# Altium PCB PCB1.PcbDoc (part 1 of 2) (continued)
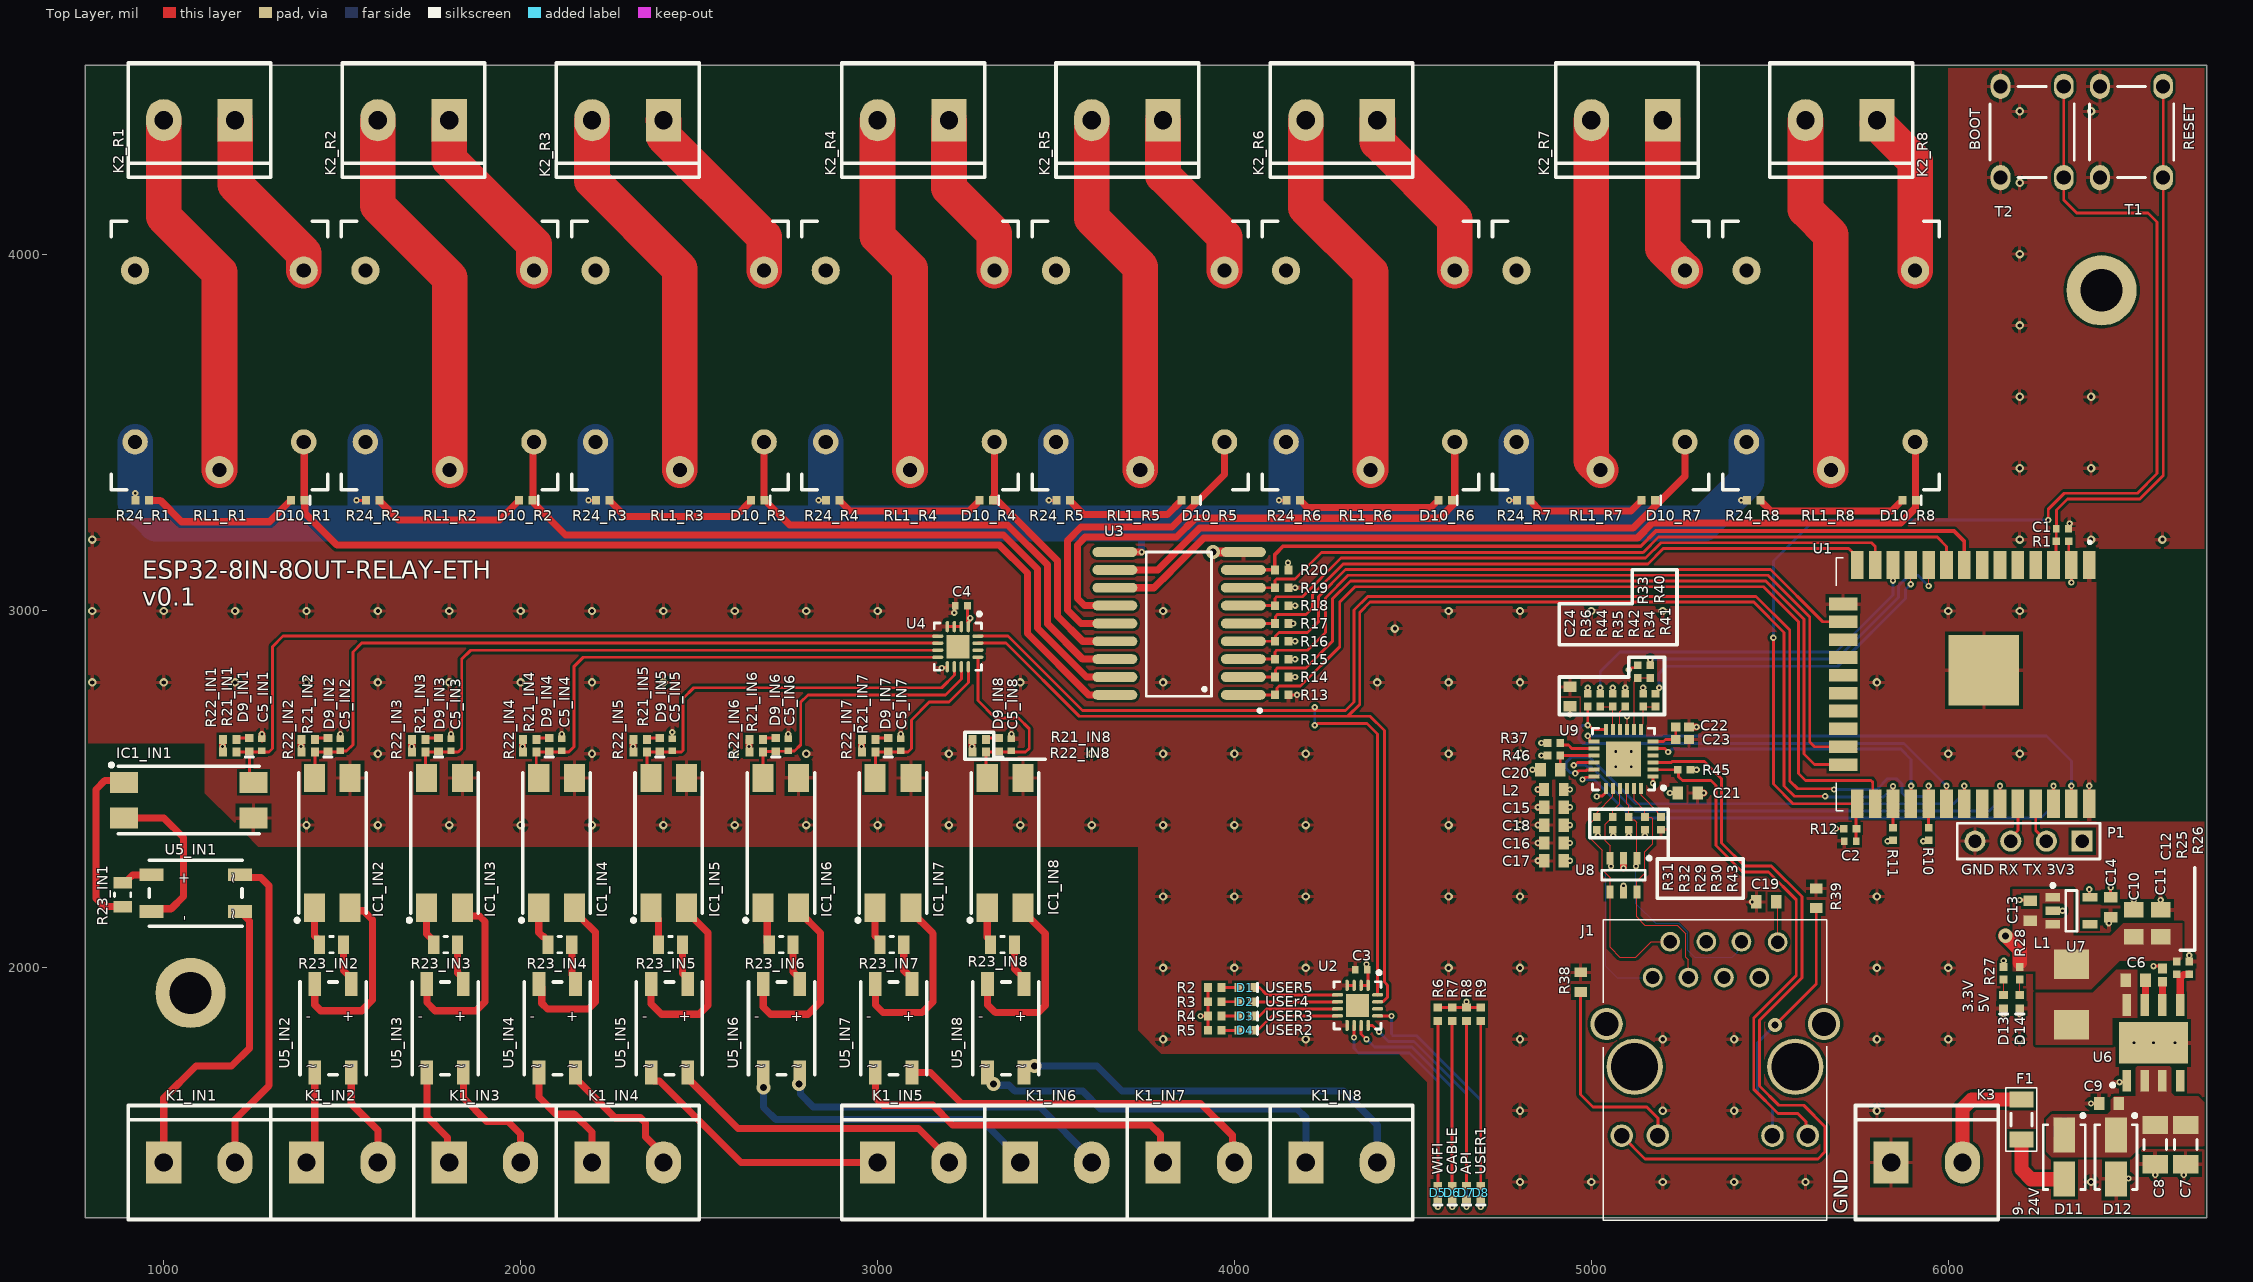
[diagram p0: Top Layer view]
## Classes and differential pairs
component class U_ethernet: C15 C16 C17 C18 C19 C20 C21 C22 C23 C24 J1 L2 R37 R39 R40 R41 R42 R43 R44 R45 R46 U8 U9
channel class input: IN1 IN2 IN3 IN4 IN5 IN6 IN7 IN8
net class INPUT[8..1]: INPUT1 INPUT2 INPUT3 INPUT4 INPUT5 INPUT6 INPUT7 INPUT8
component class U_power: C6 C7 C8 C9 C10 C11 C12 C13 C14 D11 D12 D13 D14 F1 K3 L1 R41 R42 R43 R44 U6 U7
component class IN8: C5_IN8 D9_IN8 IC1_IN8 K1_IN8 R21_IN8 R22_IN8 R23_IN8 U5_IN8
component class IN7: C5_IN7 D9_IN7 IC1_IN7 K1_IN7 R21_IN7 R22_IN7 R23_IN7 U5_IN7
component class IN6: C5_IN6 D9_IN6 IC1_IN6 K1_IN6 R21_IN6 R22_IN6 R23_IN6 U5_IN6
component class IN5: C5_IN5 D9_IN5 IC1_IN5 K1_IN5 R21_IN5 R22_IN5 R23_IN5 U5_IN5
component class IN4: C5_IN4 D9_IN4 IC1_IN4 K1_IN4 R21_IN4 R22_IN4 R23_IN4 U5_IN4
component class IN3: C5_IN3 D9_IN3 IC1_IN3 K1_IN3 R21_IN3 R22_IN3 R23_IN3 U5_IN3
component class IN2: C5_IN2 D9_IN2 IC1_IN2 K1_IN2 R21_IN2 R22_IN2 R23_IN2 U5_IN2
component class IN1: C5_IN1 D9_IN1 IC1_IN1 K1_IN1 R21_IN1 R22_IN1 R23_IN1 U5_IN1
channel class output: R1 R2 R3 R4 R5 R6 R7 R8
net class RELAY[8..1]: RELAY1 RELAY2 RELAY3 RELAY4 RELAY5 RELAY6 RELAY7 RELAY8
component class R8: D10_R8 K2_R8 R24_R8 RL1_R8
component class R7: D10_R7 K2_R7 R24_R7 RL1_R7
component class R6: D10_R6 K2_R6 R24_R6 RL1_R6
component class R5: D10_R5 K2_R5 R24_R5 RL1_R5
component class R4: D10_R4 K2_R4 R24_R4 RL1_R4
component class R3: D10_R3 K2_R3 R24_R3 RL1_R3
component class R2: D10_R2 K2_R2 R24_R2 RL1_R2
component class R1: D10_R1 K2_R1 R24_R1 RL1_R1
component class schematic: C1 C2 C3 C4 D1 D2 D3 D4 D5 D6 D7 D8 P1 R1 R2 R3 R4 R5 R6 R7 R8 R9 R10 R11 R12 R13 R14 R15 R16 R41 R42 R43 R44 T1 T2 U1 U2 U3 U4

## Components (designator, comment, footprint, x,y, rotation, side; value= is the part's Value field where it differs from the comment)
C1 "100n" CAP_0402_L_HD 6320,3230 r0 top
C2 "100n" CAP_0402_L_HD 5725,2355 r180 top
C3 "100n" CAP_0402_L_HD 4355,1995 r180 top
C4 "100n" CAP_0402_L_HD 3235,3015 r180 top
C5_IN1 "100n" CAP_0402_L_HD 1275,2625 r90 top (schematic designator C5)
C5_IN2 "100n" CAP_0402_L_HD 1495,2625 r90 top (schematic designator C5)
C5_IN3 "100n" CAP_0402_L_HD 1805,2625 r90 top (schematic designator C5)
C5_IN4 "100n" CAP_0402_L_HD 2115,2625 r90 top (schematic designator C5)
C5_IN5 "100n" CAP_0402_L_HD 2425,2625 r90 top (schematic designator C5)
C5_IN6 "100n" CAP_0402_L_HD 2750,2625 r90 top (schematic designator C5)
C5_IN7 "100n" CAP_0402_L_HD 3065,2625 r90 top (schematic designator C5)
C5_IN8 "100n" CAP_0402_L_HD 3375,2625 r90 top (schematic designator C5)
C6 "Capacitor IPC [0603]" "CAPC1608X06N - NO SILK" 6525,1965 r0 top value=100n
C7 "Capacitor IPC [0603]" "CAPC3216X09N - NO SILK" 6665,1505 r90 top value=4.7u
C8 "Capacitor IPC [0603]" "CAPC3216X09N - NO SILK" 6580,1505 r90 top value=4.7u
C9 "Capacitor IPC [0603]" "CAPC1608X06N - NO SILK" 6450,1620 r0 top value=220n
C10 "Capacitor IPC [0603]" "CAPC2012X14N - NO SILK" 6520,2125 r270 top value=22u
C11 "Capacitor IPC [0603]" "CAPC2012X14N - NO SILK" 6595,2125 r270 top value=22u
C12 "Capacitor IPC [0603]" "CAPC1005X06N - NO SILK" 6600,1980 r90 top value=1u
C13 "Capacitor IPC [0603]" "CAPC1608X06N - NO SILK" 6230,2160 r270 top value=2.2u
C14 "Capacitor IPC [0603]" "CAPC1608X06N - NO SILK" 6455,2170 r90 top value=2.2u
C15 "Capacitor IPC [0603]" "CAPC1608X06N - NO SILK" 4895,2450 r0 top value=100n
C16 "Capacitor IPC [0603]" "CAPC1608X06N - NO SILK" 4895,2350 r0 top value=100n
C17 "Capacitor IPC [0603]" "CAPC1608X06N - NO SILK" 4895,2300 r0 top value=100n
C18 "Capacitor IPC [0603]" "CAPC1608X06N - NO SILK" 4895,2400 r0 top value=10u
C19 "Capacitor IPC [0603]" "CAPC1608X06N - NO SILK" 5490,2185 r0 top value=100n
C20 "Capacitor IPC [0603]" "CAPC1608X06N - NO SILK" 4885,2555 r180 top value=100n
C21 "Capacitor IPC [0603]" "CAPC1608X06N - NO SILK" 5270,2490 r180 top value=100n
C22 "Capacitor IPC [0603]" "CAPC1005X06N - NO SILK" 5255,2675 r180 top value=470p
C23 "Capacitor IPC [0603]" "CAPC1005X06N - NO SILK" 5255,2640 r180 top value=1u
C24 "Capacitor IPC [0603]" "CAPC1608X06N - NO SILK" 4940,2760 r270 top value=100n
D1 "Red" LED_0402_N_MD 4030,1945 r180 top
D2 "Red" LED_0402_N_MD 4030,1905 r180 top
D3 "Red" LED_0402_N_MD 4030,1865 r180 top
D4 "Red" LED_0402_N_MD 4030,1825 r180 top
D5 "Red" LED_0402_N_MD 4570,1370 r90 top
D6 "Red" LED_0402_N_MD 4610,1370 r90 top
D7 "Red" LED_0402_N_MD 4650,1370 r90 top
D8 "Red" LED_0402_N_MD 4690,1370 r90 top
D9_IN1 "Red" LED_0402_N_MD 1240,2625 r90 top (schematic designator D9)
D9_IN2 "Red" LED_0402_N_MD 1460,2625 r90 top (schematic designator D9)
D9_IN3 "Red" LED_0402_N_MD 1770,2625 r90 top (schematic designator D9)
D9_IN4 "Red" LED_0402_N_MD 2080,2625 r90 top (schematic designator D9)
D9_IN5 "Red" LED_0402_N_MD 2390,2625 r90 top (schematic designator D9)
D9_IN6 "Red" LED_0402_N_MD 2715,2625 r90 top (schematic designator D9)
D9_IN7 "Red" LED_0402_N_MD 3030,2625 r90 top (schematic designator D9)
D9_IN8 "Red" LED_0402_N_MD 3340,2625 r90 top (schematic designator D9)
D10_R1 "Red" LED_0402_N_MD 1375,3310 r180 top (schematic designator D10)
D10_R2 "Red" LED_0402_N_MD 2015,3310 r180 top (schematic designator D10)
D10_R3 "Red" LED_0402_N_MD 2665,3310 r180 top (schematic designator D10)
D10_R4 "Red" LED_0402_N_MD 3305,3310 r180 top (schematic designator D10)
D10_R5 "Red" LED_0402_N_MD 3870,3310 r180 top (schematic designator D10)
D10_R6 "Red" LED_0402_N_MD 4590,3310 r180 top (schematic designator D10)
D10_R7 "Red" LED_0402_N_MD 5160,3310 r180 top (schematic designator D10)
D10_R8 "Red" LED_0402_N_MD 5890,3310 r180 top (schematic designator D10)
D11 "B360A-E3/61T" "DO-214AC SMA" 6325,1470 r270 top
D12 "SMAJ33A" "DO-214AC SMA" 6470,1470 r270 top
D13 "Red" LED_0402_N_MD 6155,1905 r90 top
D14 "Red" LED_0402_N_MD 6200,1905 r90 top
F1 "Fuse 1" RESC3216X08N 6205,1575 r270 top
IC1_IN1 "ACPL-217-500E" DIP4_SMD 1070,2470 r0 top (schematic designator IC1)
IC1_IN2 "ACPL-217-500E" DIP4_SMD 1472.36,2350 r90 top (schematic designator IC1)
IC1_IN3 "ACPL-217-500E" DIP4_SMD 1786.53,2350 r90 top (schematic designator IC1)
IC1_IN4 "ACPL-217-500E" DIP4_SMD 2100.7,2350 r90 top (schematic designator IC1)
IC1_IN5 "ACPL-217-500E" DIP4_SMD 2414.86,2350 r90 top (schematic designator IC1)
IC1_IN6 "ACPL-217-500E" DIP4_SMD 2729.03,2350 r90 top (schematic designator IC1)
IC1_IN7 "ACPL-217-500E" DIP4_SMD 3043.2,2350 r90 top (schematic designator IC1)
IC1_IN8 "ACPL-217-500E" DIP4_SMD 3357.36,2350 r90 top (schematic designator IC1)
J1 "HR911105A" HR911105A 5523.98,2081.18 r180 top
K1_IN1 "Terminal block 2W 200M" TERM_BLOCK_2W_200_WE_691213510002 1100,1455 r0 top value="Terminal block 2W" (schematic designator K1)
K1_IN2 "Terminal block 2W 200M" TERM_BLOCK_2W_200_WE_691213510002 1500,1455 r0 top value="Terminal block 2W" (schematic designator K1)
K1_IN3 "Terminal block 2W 200M" TERM_BLOCK_2W_200_WE_691213510002 1900,1455 r0 top value="Terminal block 2W" (schematic designator K1)
K1_IN4 "Terminal block 2W 200M" TERM_BLOCK_2W_200_WE_691213510002 2300,1455 r0 top value="Terminal block 2W" (schematic designator K1)
K1_IN5 "Terminal block 2W 200M" TERM_BLOCK_2W_200_WE_691213510002 3100,1455 r0 top value="Terminal block 2W" (schematic designator K1)
K1_IN6 "Terminal block 2W 200M" TERM_BLOCK_2W_200_WE_691213510002 3500,1455 r0 top value="Terminal block 2W" (schematic designator K1)
K1_IN7 "Terminal block 2W 200M" TERM_BLOCK_2W_200_WE_691213510002 3900,1455 r0 top value="Terminal block 2W" (schematic designator K1)
K1_IN8 "Terminal block 2W 200M" TERM_BLOCK_2W_200_WE_691213510002 4300,1455 r0 top value="Terminal block 2W" (schematic designator K1)
K2_R1 "Terminal block 2W 200M" TERM_BLOCK_2W_200_WE_691213510002 1100,4375 r180 top value="Terminal block 2W" (schematic designator K2)
K2_R2 "Terminal block 2W 200M" TERM_BLOCK_2W_200_WE_691213510002 1700,4375 r180 top value="Terminal block 2W" (schematic designator K2)
K2_R3 "Terminal block 2W 200M" TERM_BLOCK_2W_200_WE_691213510002 2300,4375 r180 top value="Terminal block 2W" (schematic designator K2)
K2_R4 "Terminal block 2W 200M" TERM_BLOCK_2W_200_WE_691213510002 3100,4375 r180 top value="Terminal block 2W" (schematic designator K2)
K2_R5 "Terminal block 2W 200M" TERM_BLOCK_2W_200_WE_691213510002 3700,4375 r180 top value="Terminal block 2W" (schematic designator K2)
K2_R6 "Terminal block 2W 200M" TERM_BLOCK_2W_200_WE_691213510002 4300,4375 r180 top value="Terminal block 2W" (schematic designator K2)
K2_R7 "Terminal block 2W 200M" TERM_BLOCK_2W_200_WE_691213510002 5100,4375 r180 top value="Terminal block 2W" (schematic designator K2)
K2_R8 "Terminal block 2W 200M" TERM_BLOCK_2W_200_WE_691213510002 5700,4375 r180 top value="Terminal block 2W" (schematic designator K2)
K3 "Terminal block 2W 200M" TERM_BLOCK_2W_200_WE_691213510002 5940,1455 r0 top value="Terminal block 2W"
L1 "MHCI05018-100M-R8A" MHCI05018-100M-R8A 6345,1845 r90 top value=10uH
L2 "Ferrite Bead" "RESC1608X06N - NO SILK" 4895,2500 r180 top value="50 Ohm"
P1 "Header 4" HDR1X4 6375,2355 r180 top
R1 "Resistor IPC" "RESC1005X04N - NO SILK" 6320,3195 r0 top value=10k
R2 "10K" RES_0402_N_MD 3945,1945 r180 top
R3 "10K" RES_0402_N_MD 3945,1905 r180 top
R4 "10K" RES_0402_N_MD 3945,1865 r180 top
R5 "10K" RES_0402_N_MD 3945,1825 r180 top
R6 "10K" RES_0402_N_MD 4570,1870 r90 top
R7 "10K" RES_0402_N_MD 4610,1870 r90 top
R8 "10K" RES_0402_N_MD 4650,1870 r90 top
R9 "10K" RES_0402_N_MD 4690,1870 r90 top
R10 "Resistor IPC" "RESC1005X04N - NO SILK" 5945,2375 r270 top value=4.7k
R11 "Resistor IPC" "RESC1005X04N - NO SILK" 5845,2375 r270 top value=4.7k
R12 "Resistor IPC" "RESC1005X04N - NO SILK" 5725,2390 r180 top value=10k
R13 "4K7" RES_0402_N_MD 4132.34,2765 r180 top
R14 "4K7" RES_0402_N_MD 4132.34,2815 r180 top
R15 "4K7" RES_0402_N_MD 4132.34,2865 r180 top
R16 "4K7" RES_0402_N_MD 4132.34,2915 r180 top
R17 "4K7" RES_0402_N_MD 4132.34,2965 r180 top
R18 "4K7" RES_0402_N_MD 4132.34,3015 r180 top
R19 "4K7" RES_0402_N_MD 4132.34,3065 r180 top
R20 "4K7" RES_0402_N_MD 4132.34,3115 r180 top
R21_IN1 "10K" RES_0402_N_MD 1185,2640 r180 top (schematic designator R21)
R21_IN2 "10K" RES_0402_N_MD 1405,2640 r180 top (schematic designator R21)
R21_IN3 "10K" RES_0402_N_MD 1715,2640 r180 top (schematic designator R21)
R21_IN4 "10K" RES_0402_N_MD 2025,2640 r180 top (schematic designator R21)
R21_IN5 "10K" RES_0402_N_MD 2335,2640 r180 top (schematic designator R21)
R21_IN6 "10K" RES_0402_N_MD 2660,2640 r180 top (schematic designator R21)
R21_IN7 "10K" RES_0402_N_MD 2975,2640 r180 top (schematic designator R21)
R21_IN8 "10K" RES_0402_N_MD 3285,2640 r180 top (schematic designator R21)
R22_IN1 "100K" RES_0402_N_MD 1185,2605 r180 top (schematic designator R22)
R22_IN2 "100K" RES_0402_N_MD 1405,2605 r180 top (schematic designator R22)
R22_IN3 "100K" RES_0402_N_MD 1715,2605 r180 top (schematic designator R22)
R22_IN4 "100K" RES_0402_N_MD 2025,2605 r180 top (schematic designator R22)
R22_IN5 "100K" RES_0402_N_MD 2335,2605 r180 top (schematic designator R22)
R22_IN6 "100K" RES_0402_N_MD 2660,2605 r180 top (schematic designator R22)
R22_IN7 "100K" RES_0402_N_MD 2975,2605 r180 top (schematic designator R22)
R22_IN8 "100K" RES_0402_N_MD 3285,2605 r180 top (schematic designator R22)
R23_IN1 "330K" RES_0805_L_HD 885,2205 r270 top (schematic designator R23)
R23_IN2 "330K" RES_0805_L_HD 1470,2065 r180 top (schematic designator R23)
R23_IN3 "330K" RES_0805_L_HD 1790,2065 r180 top (schematic designator R23)
R23_IN4 "330K" RES_0805_L_HD 2110,2065 r180 top (schematic designator R23)
R23_IN5 "330K" RES_0805_L_HD 2420,2065 r180 top (schematic designator R23)
R23_IN6 "330K" RES_0805_L_HD 2730,2065 r180 top (schematic designator R23)
R23_IN7 "330K" RES_0805_L_HD 3040,2065 r180 top (schematic designator R23)
R23_IN8 "330K" RES_0805_L_HD 3350,2065 r180 top (schematic designator R23)
R24_R1 "10K" RES_0402_N_MD 940,3310 r180 top (schematic designator R24)
R24_R2 "10K" RES_0402_N_MD 1585,3310 r180 top (schematic designator R24)
R24_R3 "10K" RES_0402_N_MD 2230,3310 r180 top (schematic designator R24)
R24_R4 "10K" RES_0402_N_MD 2875,3310 r180 top (schematic designator R24)
R24_R5 "10K" RES_0402_N_MD 3520,3310 r180 top (schematic designator R24)
R24_R6 "10K" RES_0402_N_MD 4165,3310 r180 top (schematic designator R24)
R24_R7 "10K" RES_0402_N_MD 4810,3310 r180 top (schematic designator R24)
R24_R8 "10K" RES_0402_N_MD 5455,3310 r180 top (schematic designator R24)
R25 "Resistor IPC" "RESC1005X04N - NO SILK" 6640,2000 r90 top value=100k
R26 "Resistor IPC" "RESC1005X04N - NO SILK" 6675,2000 r270 top value=24.9k
R27 "Resistor IPC" "RESC1005X04N - NO SILK" 6155,1985 r90 top value=4.7k
R28 "Resistor IPC" "RESC1005X04N - NO SILK" 6200,1985 r90 top value=10k
R29 "Resistor IPC" "RESC1005X04N - NO SILK" 5105,2405 r90 top value=49.9R
R30 "Resistor IPC" "RESC1005X04N - NO SILK" 5150,2405 r90 top value=49.9R
R31 "Resistor IPC" "RESC1005X04N - NO SILK" 5015,2405 r90 top value=49.9R
R32 "Resistor IPC" "RESC1005X04N - NO SILK" 5060,2405 r90 top value=49.9R
R33 "Resistor IPC" "RESC1005X04N - NO SILK" 5130,2830 r90 top value=10k
R34 "Resistor IPC" "RESC1005X04N - NO SILK" 5145,2750 r90 top value=10k
R35 "Resistor IPC" "RESC1005X04N - NO SILK" 5060,2750 r90 top value=10k
R36 "Resistor IPC" "RESC1005X04N - NO SILK" 4990,2750 r90 top value=1K5
R37 "Resistor IPC" "RESC1005X04N - NO SILK" 4895,2630 r180 top value=10k
R38 "Resistor IPC" "RESC1608X06N - NO SILK" 4970,1960 r270 top value=270R
R39 "Resistor IPC" "RESC1608X06N - NO SILK" 5630,2195 r90 top value=270R
R40 "Resistor IPC" "RESC1005X04N - NO SILK" 5165,2830 r90 top value=33R
R41 "Resistor IPC" "RESC1005X04N - NO SILK" 5180,2750 r90 top value=33R
R42 "Resistor IPC" "RESC1005X04N - NO SILK" 5095,2750 r90 top value=33R
R43 "Resistor IPC" "RESC1005X04N - NO SILK" 5195,2405 r270 top value=12.1k
R44 "Resistor IPC" "RESC1005X04N - NO SILK" 5025,2750 r90 top value=33R
R45 "Resistor IPC" "RESC1005X04N - NO SILK" 5260,2555 r180 top value=10k
R46 "Resistor IPC" "RESC1005X04N - NO SILK" 4895,2595 r0 top value=10k
RL1_R1 "SRD-05VDC-SL-C" RELAY_SRD 1160,3765 r90 top (schematic designator RL1)
RL1_R2 "SRD-05VDC-SL-C" RELAY_SRD 1805,3765 r90 top (schematic designator RL1)
RL1_R3 "SRD-05VDC-SL-C" RELAY_SRD 2450,3765 r90 top (schematic designator RL1)
RL1_R4 "SRD-05VDC-SL-C" RELAY_SRD 3095,3765 r90 top (schematic designator RL1)
RL1_R5 "SRD-05VDC-SL-C" RELAY_SRD 3740,3765 r90 top (schematic designator RL1)
RL1_R6 "SRD-05VDC-SL-C" RELAY_SRD 4385,3765 r90 top (schematic designator RL1)
RL1_R7 "SRD-05VDC-SL-C" RELAY_SRD 5030,3765 r90 top (schematic designator RL1)
RL1_R8 "SRD-05VDC-SL-C" RELAY_SRD 5675,3765 r90 top (schematic designator RL1)
T1 "RST" TACTILE_SW_6x6_TH 6513.58,4342.05 r0 top value=Tactile_SW_6x6
T2 "BOOT" TACTILE_SW_6x6_TH 6235,4342.05 r0 top value=Tactile_SW_6x6
U1 "ESP32-WROOM" ESP32-WROOM 6686.81,3145.35 r270 top
U2 "PCF8574RGT" WQFN16-EP 4345,1895 r270 top
U3 "ULN2803A" SOIC18_300mil 3845,2965 r180 top
U4 "PCF8574RGT" WQFN16-EP 3225,2900 r270 top
U5_IN1 "MBS6-K" MBS_6_10 1115,2230 r180 top (schematic designator U5)
U5_IN2 "MBS6-K" MBS_6_10 1495,1805 r90 top (schematic designator U5)
U5_IN3 "MBS6-K" MBS_6_10 1809.17,1805 r90 top (schematic designator U5)
U5_IN4 "MBS6-K" MBS_6_10 2123.33,1805 r90 top (schematic designator U5)
U5_IN5 "MBS6-K" MBS_6_10 2437.5,1805 r90 top (schematic designator U5)
U5_IN6 "MBS6-K" MBS_6_10 2751.67,1805 r90 top (schematic designator U5)
U5_IN7 "MBS6-K" MBS_6_10 3065.83,1805 r90 top (schematic designator U5)
U5_IN8 "MBS6-K" MBS_6_10 3380,1805 r90 top (schematic designator U5)
U6 "LMR36520" LMR36520 6565.96,1724.57 r90 top
U7 "SPX3819M5-L-3-3/TR" SPX3819M5-L-3-3/TR 6345,2160 r0 top
U8 "USBLC6-4SC6" "SOT23-6 ESD" 5090,2260 r270 top
U9 "LAN8742" QFN50P400X400X60_HS-25N 5090,2585 r180 top

## Footprints (in the part's own frame and the unit in brackets; to place one, negate y for a bottom-side part, rotate by r counter-clockwise, add the part's x,y. Pads: shape width x height; smd on the part's side, far side on the other; paste and mask are expansions set on the pad)
CAP_0402_L_HD [mm] "Capacitor 0402, Least, High density"
  rect 0.47x0.52 smd: 1(-0.43,0) 2(0.43,0)
  body extent -0.52,-0.28 0.52,0.28, height 0.55
"CAPC1005X06N - NO SILK" [mm] "Chip Capacitor, 2-Leads, Body 1,00x0,50mm, IPC Medium Density"
  rect 0.7x0.62 smd: 1(-0.475,0) 2(0.475,0)
  body extent -0.53,-0.28 0.53,0.28, height 0.55
"CAPC1608X06N - NO SILK" [mm] "Chip Capacitor, 2-Leads, Body 1,60x0,80mm, IPC Medium Density"
  rect 0.75x0.95 smd: 1(-0.7,0) 2(0.7,0)
  body extent -0.85,-0.45 0.85,0.45, height 0.6
"CAPC2012X14N - NO SILK" [mm] "Chip Capacitor, 2-Leads, Body 2,00x1,25mm, IPC Medium Density"
  rect 1.1x1.4 smd: 1(-0.95,0) 2(0.95,0)
  body extent -1.1,-0.72 1.1,0.72, height 1.4
"CAPC3216X09N - NO SILK" [mm] "Chip Capacitor, 2-Leads, Body 3,20x1,60mm, IPC Medium Density"
  rect 1.3x1.8 smd: 1(-1.4,0) 2(1.4,0)
  silkscreen extent -0.35,-0.8 0.35,0.8, body extent -1.7,-0.9 1.7,0.9, height 0.88
DIP4_SMD [mm] "DIP4_SMD"
  rect 2x1.5 smd: 1(-4.61,1.27) 2(-4.61,-1.27) 3(4.61,-1.27) 4(4.61,1.27)
  silkscreen extent -5.63,-2.4 5,2.63, body extent -5.01,-2.42 5.02,2.42, height 3.9
"DO-214AC SMA" [mm]
  rect 2.5x1.55 smd: 1(-1.575,0) 2(1.575,0)
  silkscreen extent -3.07,-1.5 2.3,1.5, body extent -2.52,-1.46 2.52,1.46, height 2.4
ESP32-WROOM [mm]
  rect 2x0.9 smd: 1(0.408,-7.412) 2(0.408,-8.682) 3(0.408,-9.952) 4(0.408,-11.222) 5(0.408,-12.492) 6(0.408,-13.762) 7(0.408,-15.032) 8(0.408,-16.302) 9(0.408,-17.572) 10(0.408,-18.842) 11(0.408,-20.112) 12(0.408,-21.382) 13(0.408,-22.652) 14(0.408,-23.922) 25(17.408,-23.922) 26(17.408,-22.652) 27(17.408,-21.382) 28(17.408,-20.112) 29(17.408,-18.842) 30(17.408,-17.572) 31(17.408,-16.302) 32(17.408,-15.032) 33(17.408,-13.762) 34(17.408,-12.492) 35(17.408,-11.222) 36(17.408,-9.952) 37(17.408,-8.682) 38(17.408,-7.412)
  rect 0.9x2 smd: 15(3.193,-24.922) 16(4.463,-24.922) 17(5.733,-24.922) 18(7.003,-24.922) 19(8.273,-24.922) 20(9.543,-24.922) 21(10.813,-24.922) 22(12.083,-24.922) 23(13.353,-24.922) 24(14.623,-24.922)
  rect 5x5 smd: 39(7.908,-14.912)
  silkscreen extent -1.29,-25.42 17.91,-7.27, body extent -0.1,-25.44 17.97,0.1, height 3
HDR1X4 [mm] "Connector; Header; 4 Position"
  rect 1.5x1.5 hole 0.95: 1(0,0)
  round 1.5 hole 0.95: 2(2.54,0) 3(5.08,0) 4(7.62,0)
  silkscreen extent -1.27,-1.27 8.89,1.27, body extent -1.27,-1.24 8.89,1.25, height 8.54
HR911105A [mm] "RJ45 Ethernet Connector with LED"
  round 1.4 hole 0.95: 1(8.95,2.75) 2(7.7,0.2) 3(6.4,2.75) 4(5.125,0.2) 5(3.875,2.75) 6(2.625,0.2) 7(1.35,2.75) 8(0.05,0.225)
  round 1.6 hole 1.1: 9(11.15,14) 10(8.575,14) 11(0.425,14) 12(-2.1,14)
  round 2.3 hole 1.7: 13(-3.25,6.05) 13(12.225,6.05)
  round 4 hole 3.35: 13(-1.2,9.1) 13(10.225,9.1)
  silkscreen extent -3.42,-1.38 12.45,20.02, body extent -3.43,-1.38 12.45,20.02, height 13.51
LED_0402_N_MD [mm] "LED 0402, Nominal, Medium density"
  rect 0.57x0.62 smd: A(0.48,0) C(-0.48,0)
  silkscreen extent -0.87,-0.3 -0.87,0.3, body extent -0.5,-0.3 0.5,0.3, height 0.19
LMR36520 [mm]
  rect 1.55x0.6 smd: 1(-1.038,1.675) 2(-1.038,0.405) 3(-1.038,-0.865) 4(-1.038,-2.135) 5(4.362,-2.135) 6(4.362,-0.865) 7(4.362,0.405) 8(4.362,1.675)
  rect 2.95x4.9 smd: 9(1.662,-0.23)
  silkscreen extent -1.45,2.58 -1.25,2.77, body extent -1.35,-2.68 4.68,2.22, height 1.57
MBS_6_10 [mm] "MBS6-K to 10-K bridge rectifier"
  rect 1.7x0.9 smd: 1(-2.5,1.825) 2(-2.5,-0.775) 3(3.8,-0.775) 4(3.8,1.825)
  silkscreen extent -2.65,-1.83 3.95,2.88, body extent -2.65,-1.82 3.95,2.88, height 2.61
MHCI05018-100M-R8A [mm]
  rect 2.1x2.5 smd: 1(-0.1,0) 2(4.2,0)
  body extent -0.82,-2.7 4.92,2.7, height 1.57
QFN50P400X400X60_HS-25N [mm] "QFN, 24-Leads, Body 4,00x4,00mm, Pitch 0,50mm, Thermal Pad 2,50x2,50mm, IPC Medium Density"
  rect 0.8x0.28 smd: 1(-2.1,1.25) 3(-2.1,0.25) 4(-2.1,-0.25) 5(-2.1,-0.75) 6(-2.1,-1.25) 13(2.1,-1.25) 14(2.1,-0.75) 15(2.1,-0.25) 16(2.1,0.25) 17(2.1,0.75) 18(2.1,1.25) t2(-2.1,0.75)
  rect 0.28x0.8 smd: 7(-1.25,-2.1) 8(-0.75,-2.1) 9(-0.25,-2.1) 10(0.25,-2.1) 11(0.75,-2.1) 12(1.25,-2.1) 19(1.25,2.1) 20(0.75,2.1) 21(0.25,2.1) 22(-0.25,2.1) 23(-0.75,2.1) 24(-1.25,2.1)
  rect 2.5x2.5 smd: 25(0,0)
  silkscreen extent -2.98,-2.2 2.2,2.2, body extent -2.1,-2.1 2.1,2.1, height 0.6
RELAY_SRD [mm] "SRD relay"
  round 1.8 hole 1: 1(-7.4,6.1) 2(-7.4,-5.9)
  round 2 hole 1: 3(-9.4,0.1) 4(4.8,-5.9) 5(4.8,6.1)
  silkscreen extent -10.8,-7.6 8.3,7.8, body extent -10.79,-7.66 8.31,7.84, height 15.28
RES_0402_N_MD [mm] "Resistor 0402, Nominal, Medium density"
  rect 0.57x0.62 smd: 1(-0.48,0) 2(0.48,0)
  body extent -0.57,-0.27 0.58,0.28, height 0.41
RES_0805_L_HD [mm] "Resistor 0805, Least, High Density"
  rect 0.8x1.34 smd: 1(-0.85,0) 2(0.85,0)
  silkscreen extent -0.13,-0.58 0.13,0.58, body extent -1,-0.63 1,0.63, height 0.43
"RESC1005X04N - NO SILK" [mm] "Chip Resistor, 2-Leads, Body 1,00x0,50mm, IPC Medium Density"
  rect 0.55x0.55 smd: 1(-0.45,0) 2(0.45,0)
  body extent -0.53,-0.28 0.53,0.28, height 0.4
"RESC1608X06N - NO SILK" [mm] "Chip Resistor, 2-Leads, Body 1,60x0,80mm, IPC Medium Density"
  rect 0.7x0.9 smd: 1(-0.7,0) 2(0.7,0)
  body extent -0.85,-0.45 0.85,0.45, height 0.6
RESC3216X08N [mm] "Chip Resistor, 2-Leads, Body 3,20x1,60mm, IPC Medium Density"
  rect 1.15x1.7 smd: 1(-1.425,0) 2(1.425,0)
  silkscreen extent -2.25,-1.1 2.25,1.1, body extent -1.65,-0.85 1.65,0.85, height 0.8
SOIC18_300mil [mm] "SOIC, 18-leads, 300mils body width"
  oval 3.2x0.7 smd: 1(-4.572,5.08) 2(-4.572,3.81) 3(-4.572,2.54) 4(-4.572,1.27) 5(-4.572,0) 6(-4.572,-1.27) 7(-4.572,-2.54) 8(-4.572,-3.81) 9(-4.572,-5.08) 10(4.572,-5.08) 11(4.572,-3.81) 12(4.572,-2.54) 13(4.572,-1.27) 14(4.572,0) 15(4.572,1.27) 16(4.572,2.54) 17(4.572,3.81) 18(4.572,5.08)
  silkscreen extent -5.85,-5.08 2.34,6.3, body extent -5.08,-5.78 5.23,5.78, height 2.61
"SOT23-6 ESD" [mm] "SOT23, 6-Leads, Body 2.9x1.6mm, Pitch 0.95mm, Lead Span 2.7mm, IPC High Density"
  rect 0.9x0.5 smd: 1(-1.2,0.95) 2(-1.2,0) 3(-1.2,-0.95) 4(1.2,-0.95) 5(1.2,0) 6(1.2,0.95)
  silkscreen extent -1.32,-1.55 0.35,1.95, body extent -0.9,-1.55 0.9,1.55, height 1.45
SPX3819M5-L-3-3/TR [mm]
  rect 1.05x0.6 smd: 1(-1.325,0.95) 2(-1.325,0) 3(-1.325,-0.95) 4(1.325,-0.95) 5(1.325,0.95)
  silkscreen extent -1.45,-1.45 0.4,1.92, body extent -1.5,-1.45 1.3,1.45, height 1.45
TACTILE_SW_6x6_TH [mm] "Tactile swithc 6x6mm, through-hole"
  oval 1.4x1.8 hole 1: 1(-2.25,3.25) 2(-2.25,-3.25) 3(2.25,3.25) 4(2.25,-3.25)
  silkscreen extent -3,-3.25 3,3.25, body extent -3.1,-3.95 3.1,3.95, height 7
TERM_BLOCK_2W_200_WE_691213510002 [mm] "Screw terminal, 2 way, 200mils pitch"
  rect 2.5x3 hole 1.3: 1(-2.54,0)
  oval 2.5x3 hole 1.3: 2(2.54,0)
  silkscreen extent -5.08,-4.08 5.08,4.05, body extent -5.68,-4.06 5.68,4.04, height 10
WQFN16-EP [mm] "QFN, 16-Leads, Body 3.00x3.00mm, Pitch 0.50mm, Thermal Pad 1.65x1.65mm, IPC Medium Density"
  oval 0.8x0.25 smd: 1(-1.425,0.75) 2(-1.425,0.25) 3(-1.425,-0.25) 4(-1.425,-0.75) 9(1.425,-0.75) 10(1.425,-0.25) 11(1.425,0.25) 12(1.425,0.75)
  oval 0.25x0.8 smd: 5(-0.75,-1.425) 6(-0.25,-1.425) 7(0.25,-1.425) 8(0.75,-1.425) 13(0.75,1.425) 14(0.25,1.425) 15(-0.25,1.425) 16(-0.75,1.425)
  rect 1.65x1.65 smd: 17(0,0)
  silkscreen extent -2.45,-1.67 1.67,1.68, body extent -1.53,-1.52 1.52,1.53, height 0.8

## Part data
C1 C2 C3 C4 C5_IN1 C5_IN2 C5_IN3 C5_IN4 C5_IN5 C5_IN6 C5_IN7 C5_IN8: library part C_100n_0402_16V_10P_MLCC_X7R, "Capacitor, MLCC, 100nF, 16V, X7R, 10%, 0402", Manufacturer 1=Yageo, Manufacturer Part Number 1=CC0402KRX7R7BB104, Package=C0402, OrderCodeFarnell=9402047, OrderCodeLCSC=C1525, OrderCodeMouser=603-CC402KRX7R7BB104, PartType=Capacitor
C6 C7 C8 C9 C10 C11 C12 C13 C14 C15 C16 C17 C18 C19 C20 C21 C22 C23 C24: "Capacitor", Supplier Part Number 1=2496900, ComponentLink1Description=SupplierLink, ComponentLink1URL=http://si.farnell.com/walsin/0603n330j500ct/capacitor-mlcc-np0-33pf-50v-0603/dp/2496900, ComponentLink2Description=Datasheet, ComponentLink2URL=http://www.farnell.com/datasheets/1958513.pdf?_ga=1.244403271.358557216.1479735102, Supplier1=Farnell
D1 D2 D3 D4 D5 D6 D7 D8 D9_IN1 D9_IN2 D9_IN3 D9_IN4 D9_IN5 D9_IN6 D9_IN7 D9_IN8 D10_R1 D10_R2 D10_R3 D10_R4 D10_R5 D10_R6 D10_R7 D10_R8 D13 D14: library part LED_RED_0402, "LED, Red, SMD, 0402", Manufacturer 1=Everlight, Manufacturer Part Number 1=16-213/SDRC/S530-A3/TR8, Package=L0402, OrderCodeLCSC=C71911, PartType=LED
D11: "60V Single 3A 0.64V@3A SMA(DO-214AC) Schottky Barrier Diodes (SBD) ROHS", JLCPCB Part #=C2983556, Supplier Part Number 1=2691401, ComponentLink1Description=SupplierLink, ComponentLink1URL=https://www.lcsc.com/product-detail/Schottky-Barrier-Diodes-SBD_Vishay-Intertech-B360A-E3-61T_C2983556.html, ComponentLink2Description=Datasheet, ComponentLink2URL=http://www.farnell.com/datasheets/2307452.pdf, Supplier1=Farnell
D12: "40.6V 33V SMA TVS ROHS", JLCPCB Part #=C5444184, Supplier Part Number 1=2691401, ComponentLink1Description=SupplierLink, ComponentLink1URL=https://www.lcsc.com/product-detail/TVS_YFW-SMAJ33A_C5444184.html, ComponentLink2Description=Datasheet, Supplier1=Farnell
F1: "Fuse", LatestRevisionDate=17-Jul-2002, LatestRevisionNote="Re-released for DXP Platform.", PackageDescription="Thru-Hole; 2 Leads", PackageReference=PIN-W2/E2.8, Published=8-Jun-2000, Publisher="Altium Limited"
IC1_IN1 IC1_IN2 IC1_IN3 IC1_IN4 IC1_IN5 IC1_IN6 IC1_IN7 IC1_IN8: "Optocoupler, Transistor Output, 1 Channel, SOIC, 4 Pins, 50 mA, 3 kV, 50 %", Manufacturer 1=Broadcom, Package=SOIC-4, Manufacturer Part Number 1=ACPL-217-500E, OrderCodeFarnell=1602614, OrderCodeMouser=630-ACPL-217-500E, PartType=IC
J1: "RJ45 RJReceptacle 1 WithLED Plugin Ethernet Connectors/Modular Connectors (RJ45 RJ11) ROHS", LCSC Number=C12074, ComponentLink1Description=SupplierLink, ComponentLink1URL=https://www.lcsc.com/product-detail/Ethernet-Connectors-Modular-Connectors-RJ45-RJ11_HANRUN-Zhongshan-HanRun-Elec-HR911105A_C12074.html, ComponentLink2Description=Datasheet, ComponentLink2URL=https://datasheet.lcsc.com/lcsc/1811141815_HANRUN-Zhongshan-HanRun-Elec-HR911105A_C12074.pdf
K1_IN1 K1_IN2 K1_IN3 K1_IN4 K1_IN5 K1_IN6 K1_IN7 K1_IN8 K2_R1 K2_R2 K2_R3 K2_R4 K2_R5 K2_R6 K2_R7 K2_R8 K3: library part TERM_BLOCK_2W_200M, "Terminal block, 2W, 200mil pitch", Manufacturer 1="Wurth Elektronik", Manufacturer Part Number 1=691213510002, OrderCodeDigikey=710-691213510002, PartType=Connector
L1: ".5A 10uH Shielded Power Inductors ±20% 3A SMD Power Inductors ROHS", ComponentLink1Description=SupplierLink, ComponentLink2Description=Datasheet, Supplier1=Farnell
L2: Supplier Part Number 1=2443237, ComponentLink1Description=SupplierLink, ComponentLink1URL=https://si.farnell.com/murata/blm18he152sn1d/ferrite-bead-1k5-0-5a-0603/dp/2443237?st=BLM18HE152SN1, ComponentLink2Description=Datasheet, ComponentLink2URL=http://www.farnell.com/datasheets/1851896.pdf?_ga=2.99127646.151708912.1561923814-420984637.1558515386&_gac=1.28129358.1559305053.Cj0KCQjwocPnBRDFARIsAJJcf95IUOKyqjlwtemyAWnmom4e7mJBPnt9DxyYm3oMJp9nyNXPYCMACxgaAhZJEALw_wcB, Supplier1=Farnell
P1: "Header, 4-Pin", LatestRevisionDate=17-Jul-2002, LatestRevisionNote="Re-released for DXP Platform.", Publisher="Altium Limited"
R1 R10 R11 R12 R25 R26 R29 R30 R31 R32 R33 R34 R35 R36 R37 R38 R39 R40 R41 R42 R43 R44 R45 R46: Supplier Part Number 1=2447230, ComponentLink1Description=SupplierLink, ComponentLink1URL=http://si.farnell.com/multicomp/mcwr06x1002ftl/res-thick-film-10k-1-0-1w-0603/dp/2447230?st=resistor%20smd, ComponentLink2Description=Datasheet, ComponentLink2URL=http://www.farnell.com/datasheets/2563624.pdf?_ga=2.99849118.1279488987.1516453200-1280887770.1486820618, Supplier1=Farnell
R2 R3 R4 R5 R6 R7 R8 R9 R21_IN1 R21_IN2 R21_IN3 R21_IN4 R21_IN5 R21_IN6 R21_IN7 R21_IN8: library part R_10K_0402_1P_0W16, "Resistor, 100k, 0402, 1%, 1/16W", Package=R0402, PartType=Resistor
R13 R14 R15 R16 R17 R18 R19 R20: library part R_4K7_0402_1P_0W16, "Resistor, 4k7, 0402, 1%, 1/16W", Manufacturer 1="Uniroyal Elec", Manufacturer Part Number 1=0603WAF1103T5E, Package=R0402, OrderCodeLCSC=C25900, PartType=Resistor
R22_IN1 R22_IN2 R22_IN3 R22_IN4 R22_IN5 R22_IN6 R22_IN7 R22_IN8: library part R_100K_0402_1P_0W16, "Resistor, 100k, 0402, 1%, 1/16W", Package=R0402, PartType=Resistor
R23_IN1 R23_IN2 R23_IN3 R23_IN4 R23_IN5 R23_IN6 R23_IN7 R23_IN8: library part R_330K_0805_1P_0W2, "Resistor, 120K, 1206, 5%, 1/2W", Manufacturer 1=Panasonic, Manufacturer Part Number 1=ERJP06F3303V, Package=R0805, OrderCodeLCSC=C441993, PartType=Resistor
R24_R1 R24_R2 R24_R3 R24_R4 R24_R5 R24_R6 R24_R7 R24_R8: library part R_10K_0402_1P_0W16, "Resistor, 10k, 0402, 1%, 1/16W", Package=R0402, PartType=Resistor
R27 R28: "Resistor 0603", Supplier Part Number 1=2447230, ComponentLink1Description=SupplierLink, ComponentLink1URL=http://si.farnell.com/multicomp/mcwr06x1002ftl/res-thick-film-10k-1-0-1w-0603/dp/2447230?st=resistor%20smd, ComponentLink2Description=Datasheet, ComponentLink2URL=http://www.farnell.com/datasheets/2563624.pdf?_ga=2.99849118.1279488987.1516453200-1280887770.1486820618, Supplier1=Farnell
RL1_R1 RL1_R2 RL1_R3 RL1_R4 RL1_R5 RL1_R6 RL1_R7 RL1_R8: "General Purpose Relay, 10V, 5V DC, 250VAC, 30VDC", Manufacturer 1=Ebay, Manufacturer Part Number 1=264577889404, Package=THT, PartType=Relay
T1 T2: library part TACTILE_SW_6x6_TH, "Tactile switch, 4-pins, throuh hole, 6x6mm", Manufacturer 1=SOFNG, Manufacturer Part Number 1=TS-1102-5016, Package="6x6mm TH", OrderCodeLCSC=C111609, PartType=Button
U1: "WiFi Modules (802.11) SMD Module, ESP32-D0WDQ6, 32Mbits SPI flash, UART", Supplier Part Number 1=2691401, ComponentLink1Description=SupplierLink, ComponentLink1URL=https://eu.mouser.com/ProductDetail/Espressif-Systems/ESP32-WROOM-32?qs=chTDxNqvsyltcwz%2FUUJDtQ%3D%3D, ComponentLink2Description=Datasheet, ComponentLink2URL=https://eu.mouser.com/datasheet/2/891/esp32-wroom-32_datasheet_en-1510934.pdf, Supplier1=Mouser
U2 U4: "Remote 8-bit I/O expander for I2C-bus, WQFN16", Manufacturer 1=UMW, Package=WQFN16, Manufacturer Part Number 1=PCF8574RGT, OrderCodeLCSC=C22396384, PartType=IC
U3: library part ULN2803ADW, "ULN2803A Darlington Transistor Arrays, 50V, 500mA, SOIC18", Manufacturer 1=TI, Manufacturer Part Number 1=ULN2803ADWR, OrderCodeFarnell=3125103, OrderCodeLCSC=C9683, OrderCodeMouser=595-ULN2803ADWR
U5_IN1 U5_IN2 U5_IN3 U5_IN4 U5_IN5 U5_IN6 U5_IN7 U5_IN8: "Bridge Rectifier Diode, Miniature, Single Phase, 600 V, 500 mA, SMD, 1 V, 4 Pins", Manufacturer 1="Taiwan Semiconductor", Manufacturer Part Number 1="MBS6 RCG", Package=MBS-4, OrderCodeFarnell=3519364, OrderCodeMouser=821-MBS6, PartType=Diode
U7: "500mA 70dB 700mV@(500mA) Fixed 3.3V~3.3V Positive 1 16V SOT-23-5 Linear Voltage Regulators (LDO) ROHS", Supplier Part Number 1=2691401, ComponentLink1Description=SupplierLink, ComponentLink1URL=https://www.lcsc.com/product-detail/Linear-Voltage-Regulators-LDO_MaxLinear-SPX3819M5-L-3-3-TR_C9055.html, ComponentLink2Description=Datasheet, ComponentLink2URL=https://datasheet.lcsc.com/lcsc/1810181735_MaxLinear-SPX3819M5-L-3-3-TR_C9055.pdf, Supplier1=Farnell
U8: "6V 17V Unidirectional 5.25V SOT-23-6 ESD Protection Devices ROHS", JLCPCB Part #=C111212, Supplier Part Number 1=2691401, ComponentLink1Description=SupplierLink, ComponentLink1URL=https://www.lcsc.com/product-detail/ESD-Protection-Devices_STMicroelectronics-USBLC6-4SC6_C111212.html, ComponentLink2Description=Datasheet, ComponentLink2URL=https://datasheet.lcsc.com/lcsc/1810130920_STMicroelectronics-USBLC6-4SC6_C111212.pdf, Supplier1=Farnell
U9: "10/100 Base-T/TX Ethernet Transceiver with Cable Diagnostics", Supplier Part Number 1=2691401, ComponentLink1Description=SupplierLink, ComponentLink1URL=https://www.microchip.com/en-us/product/LAN8742#document-table, ComponentLink2Description=Datasheet, ComponentLink2URL=https://ww1.microchip.com/downloads/aemDocuments/documents/OTH/ProductDocuments/DataSheets/8742a.pdf, Supplier1=Farnell
U6: ComponentLink1Description=SupplierLink, ComponentLink2Description=Datasheet

## Free pads (board coordinates)
  round 196.85 hole 118.11: 0(1075.28,1929.92) 0(6429.61,3898.43)

## Via types
v1: diameter 17.72, hole 7.87, Top Layer to Bottom Layer, tented both sides, 134 vias
v2: diameter 23.62, hole 11.81, Top Layer to Bottom Layer, tented both sides, 109 vias
v3: diameter 39.37, hole 19.68, Top Layer to Bottom Layer, tented both sides, 7 vias
v4: diameter 19.68, hole 7.87, Top Layer to Bottom Layer, tented both sides, 4 vias

## Nets (pads, with @x,y where several pads share a name; then routed paths per layer and width w, separated by ;. In a path a pad name is that pad's centre, name@x,y a point inside that pad or via, vN(x,y) a via of type N, cw(c..) or ccw(c..) an arc to the next point about the centre after c; other vN are vias at no path point)
3V3: C3.1 C4.1 C14.2 C24.2 L2.2 P1.1 R1.2 R2.2 R3.2 R4.2 R5.2 R6.2 R7.2 R8.2 R9.2 R10.2 R11.2 R12.2 R21_IN1.2 R21_IN2.2 R21_IN3.2 R21_IN4.2 R21_IN5.2 R21_IN6.2 R21_IN7.2 R21_IN8.2 R22_IN1.2 R22_IN2.2 R22_IN3.2 R22_IN4.2 R22_IN5.2 R22_IN6.2 R22_IN7.2 R22_IN8.2 R27.2 R33.2 R34.2 R35.2 R36.2 R37.2 R46.1 U1.2 U2.1 U2.2 U4.1 U7.5 U9.9 | length 1170
  Top Layer w3.5: U9.9@5099.84,2667.68 5100,2667.83 v1(5100,2704.6) ; R27.2@6155,2002.72 v1(6155,2020)
  Top Layer w8: C4.1@3251.93,3015 3251.93,2970.03 U4.1@3254.53,2967.43 ; U4.1@3254.53,2956.1 U4.1@3254.53,2967.43 ; v1(3260,2980) 3258.14,2978.14 3258.14,2971.04 U4.1@3254.53,2967.43 ; v1(3905,1865) R4.2@3926.1,1865 ; R5.2@3926.1,1825 R4.2@3926.1,1865 ; R2.2@3926.1,1945 R3.2@3926.1,1905 R4.2@3926.1,1865 ; U2.2@4354.84,1951.1 U2.1@4374.53,1951.1 4374.18,1951.45 4374.18,1992.75 C3.1@4371.93,1995 4370.96,1995.96 4370.96,2009.04 v1(4370,2010) ; R6.2@4570,1888.9 R7.2@4610,1888.9 R8.2@4650,1888.9 ; v1(4650,1905) R8.2@4650,1888.9 ; R9.2@4690,1888.9 R8.2@4650,1888.9 ; v1(4860,2595) R46.1@4877.28,2595 ; v1(4860,2630) R37.2@4877.28,2630 ; R36.2@4990,2767.72 v1(4990,2785) ; R35.2@5060,2767.72 v1(5060,2785) ; v1(5105,2835) 5107.63,2835 5113.52,2840.89 5123.17,2840.89 R33.2@5130,2847.72 ; R34.2@5145,2767.72 v1(5145,2785.12) ; v1(5685,2390) R12.2@5707.28,2390 ; v1(5830,2355) 5831.14,2356.14 5843.86,2356.14 R11.2@5845,2357.28 ; v1(5930,2355) 5931.14,2356.14 5943.86,2356.14 R10.2@5945,2357.28 ; R1.2@6337.72,3195 6337.72,3136.57 U1.2@6345,3129.29 v1(6345,3080) ; v1(6395,2220) 6395,2199.57 U7.5@6397.17,2197.4 ; C14.2@6455,2197.56 v1(6455,2225)
  Top Layer w20: v1(1165,2620) 1165,2638.9 R21_IN1.2@1166.1,2640 ; v1(1385,2620) 1385,2638.9 R21_IN2.2@1386.1,2640 ; v1(1695,2620) 1695,2638.9 R21_IN3.2@1696.1,2640 ; v1(2005,2620) 2005,2638.9 R21_IN4.2@2006.1,2640 ; v1(2315,2620) 2315,2638.9 R21_IN5.2@2316.1,2640 ; v1(2640,2620) 2640,2638.9 R21_IN6.2@2641.1,2640 ; v1(2955,2620) 2955,2638.9 R21_IN7.2@2956.1,2640 ; v1(3265,2620) 3265,2638.9 R21_IN8.2@3266.1,2640 ; v1(4850,2500) L2.2@4867.44,2500
  Bottom Layer w3.5: v1(4940,2710) 4943.85,2710 4949.25,2704.6 v1(5100,2704.6)
5V: C10.2 C11.2 C13.2 L1.2 R24_R1.2 R24_R2.2 R24_R3.2 R24_R4.2 R24_R5.2 R24_R6.2 R24_R7.2 R24_R8.2 R25.2 R28.2 RL1_R1.1 RL1_R2.1 RL1_R3.1 RL1_R4.1 RL1_R5.1 RL1_R6.1 RL1_R7.1 RL1_R8.1 U3.10 U7.1 U7.3 | length 8479.5
  Top Layer w8: v1(920,3330) 920.55,3329.45 920.55,3310.55 R24_R1.2@921.1,3310 ; v1(1540,3310) R24_R2.2@1566.1,3310 ; v1(2190,3310) R24_R3.2@2211.1,3310 ; v1(2835,3310) R24_R4.2@2856.1,3310 ; v1(3480,3310) R24_R5.2@3501.1,3310 ; v1(4125,3310) R24_R6.2@4146.1,3310 ; v1(4770,3310) R24_R7.2@4791.1,3310 ; v1(5420,3310) R24_R8.2@5436.1,3310
  Top Layer w20: U3.10@3665,3165 v1(3740,3165)
  Top Layer w40: v3(6160,2090) 6200,2050 6200,2015
  VDD w40: RL1_R8.1@5434.84,3473.66 5434.84,3310 5434.84,2592.27 5772.12,2255 5995,2255 v3(6160,2090)
  Bottom Layer w20: v1(3740,3165) 3740,3240 3745,3245
  Bottom Layer w100: RL1_R1.1@919.84,3473.66 919.84,3303.58 978.42,3245 1565,3245 ; RL1_R2.1@1564.84,3473.66 1565,3473.5 1565,3245 ; RL1_R3.1@2209.84,3473.66 2209.84,3245.16 2210,3245 ; RL1_R4.1@2854.84,3473.66 2854.84,3254.84 2845,3245 ; RL1_R5.1@3499.84,3473.66 3499.84,3249.84 3495,3245 ; RL1_R6.1@4144.84,3473.66 4144.84,3245.16 4145,3245 ; RL1_R7.1@4789.84,3473.66 4789.84,3249.84 4785,3245 ; RL1_R8.1@5434.84,3473.66 5434.84,3364.84 5315,3245 4785,3245 ; 1565,3245 2210,3245 ; 2210,3245 2845,3245 ; 2845,3245 3495,3245 ; 3495,3245 3745,3245 4145,3245 ; 4145,3245 4785,3245
BOOT: C2.1 R12.1 T2.3 T2.4 U1.25 | length 3490.5
  Top Layer w8: v1(5510,2925) 5510,2515 5565,2460 U1.25@5741.93,2460 ; C2.1@5741.93,2355 5741.93,2456.93 U1.25@5745,2460 ; v1(6280,3255) 6280,3285 6325,3330 6530,3330 6585,3385 6585,4090 6560,4115 6360,4115 6323.58,4151.42 T2.4@6323.58,4214.09 T2.3@6323.58,4470
  Bottom Layer w8: v1(5510,2925) 5510,3140 5625,3255 v1(6280,3255)
EN: C1.1 R1.1 T1.3 T1.4 U1.3 | length 1587
  Top Layer w8: U1.3@6295,3129.29 6302.28,3136.57 6302.28,3194.21 6303.07,3195 6302.68,3195.39 6302.68,3229.61 C1.1@6303.07,3230 6303.07,3283.07 6334,3314 6536.63,3314 6602.17,3379.54 T1.3@6602.17,4470
ETH_RESET: C20.1 R46.2 U9.15 | length 134.6
  Top Layer w8: C20.1@4912.56,2555 4912.72,2555.16 4912.72,2594.84 4912.8,2594.92 4972.32,2594.92 4972.4,2595 5007.16,2595 U9.15@5007.32,2594.84
FEEDBACK: R25.1 R26.2 U6.5 | length 105.1
  Top Layer w20: U6.5@6650,1896.3 6650,1972.28 6659.17,1981.46 6674.17,1981.46 R26.2@6675,1982.28